# KiCad board pq-register.kicad_pcb (continued)
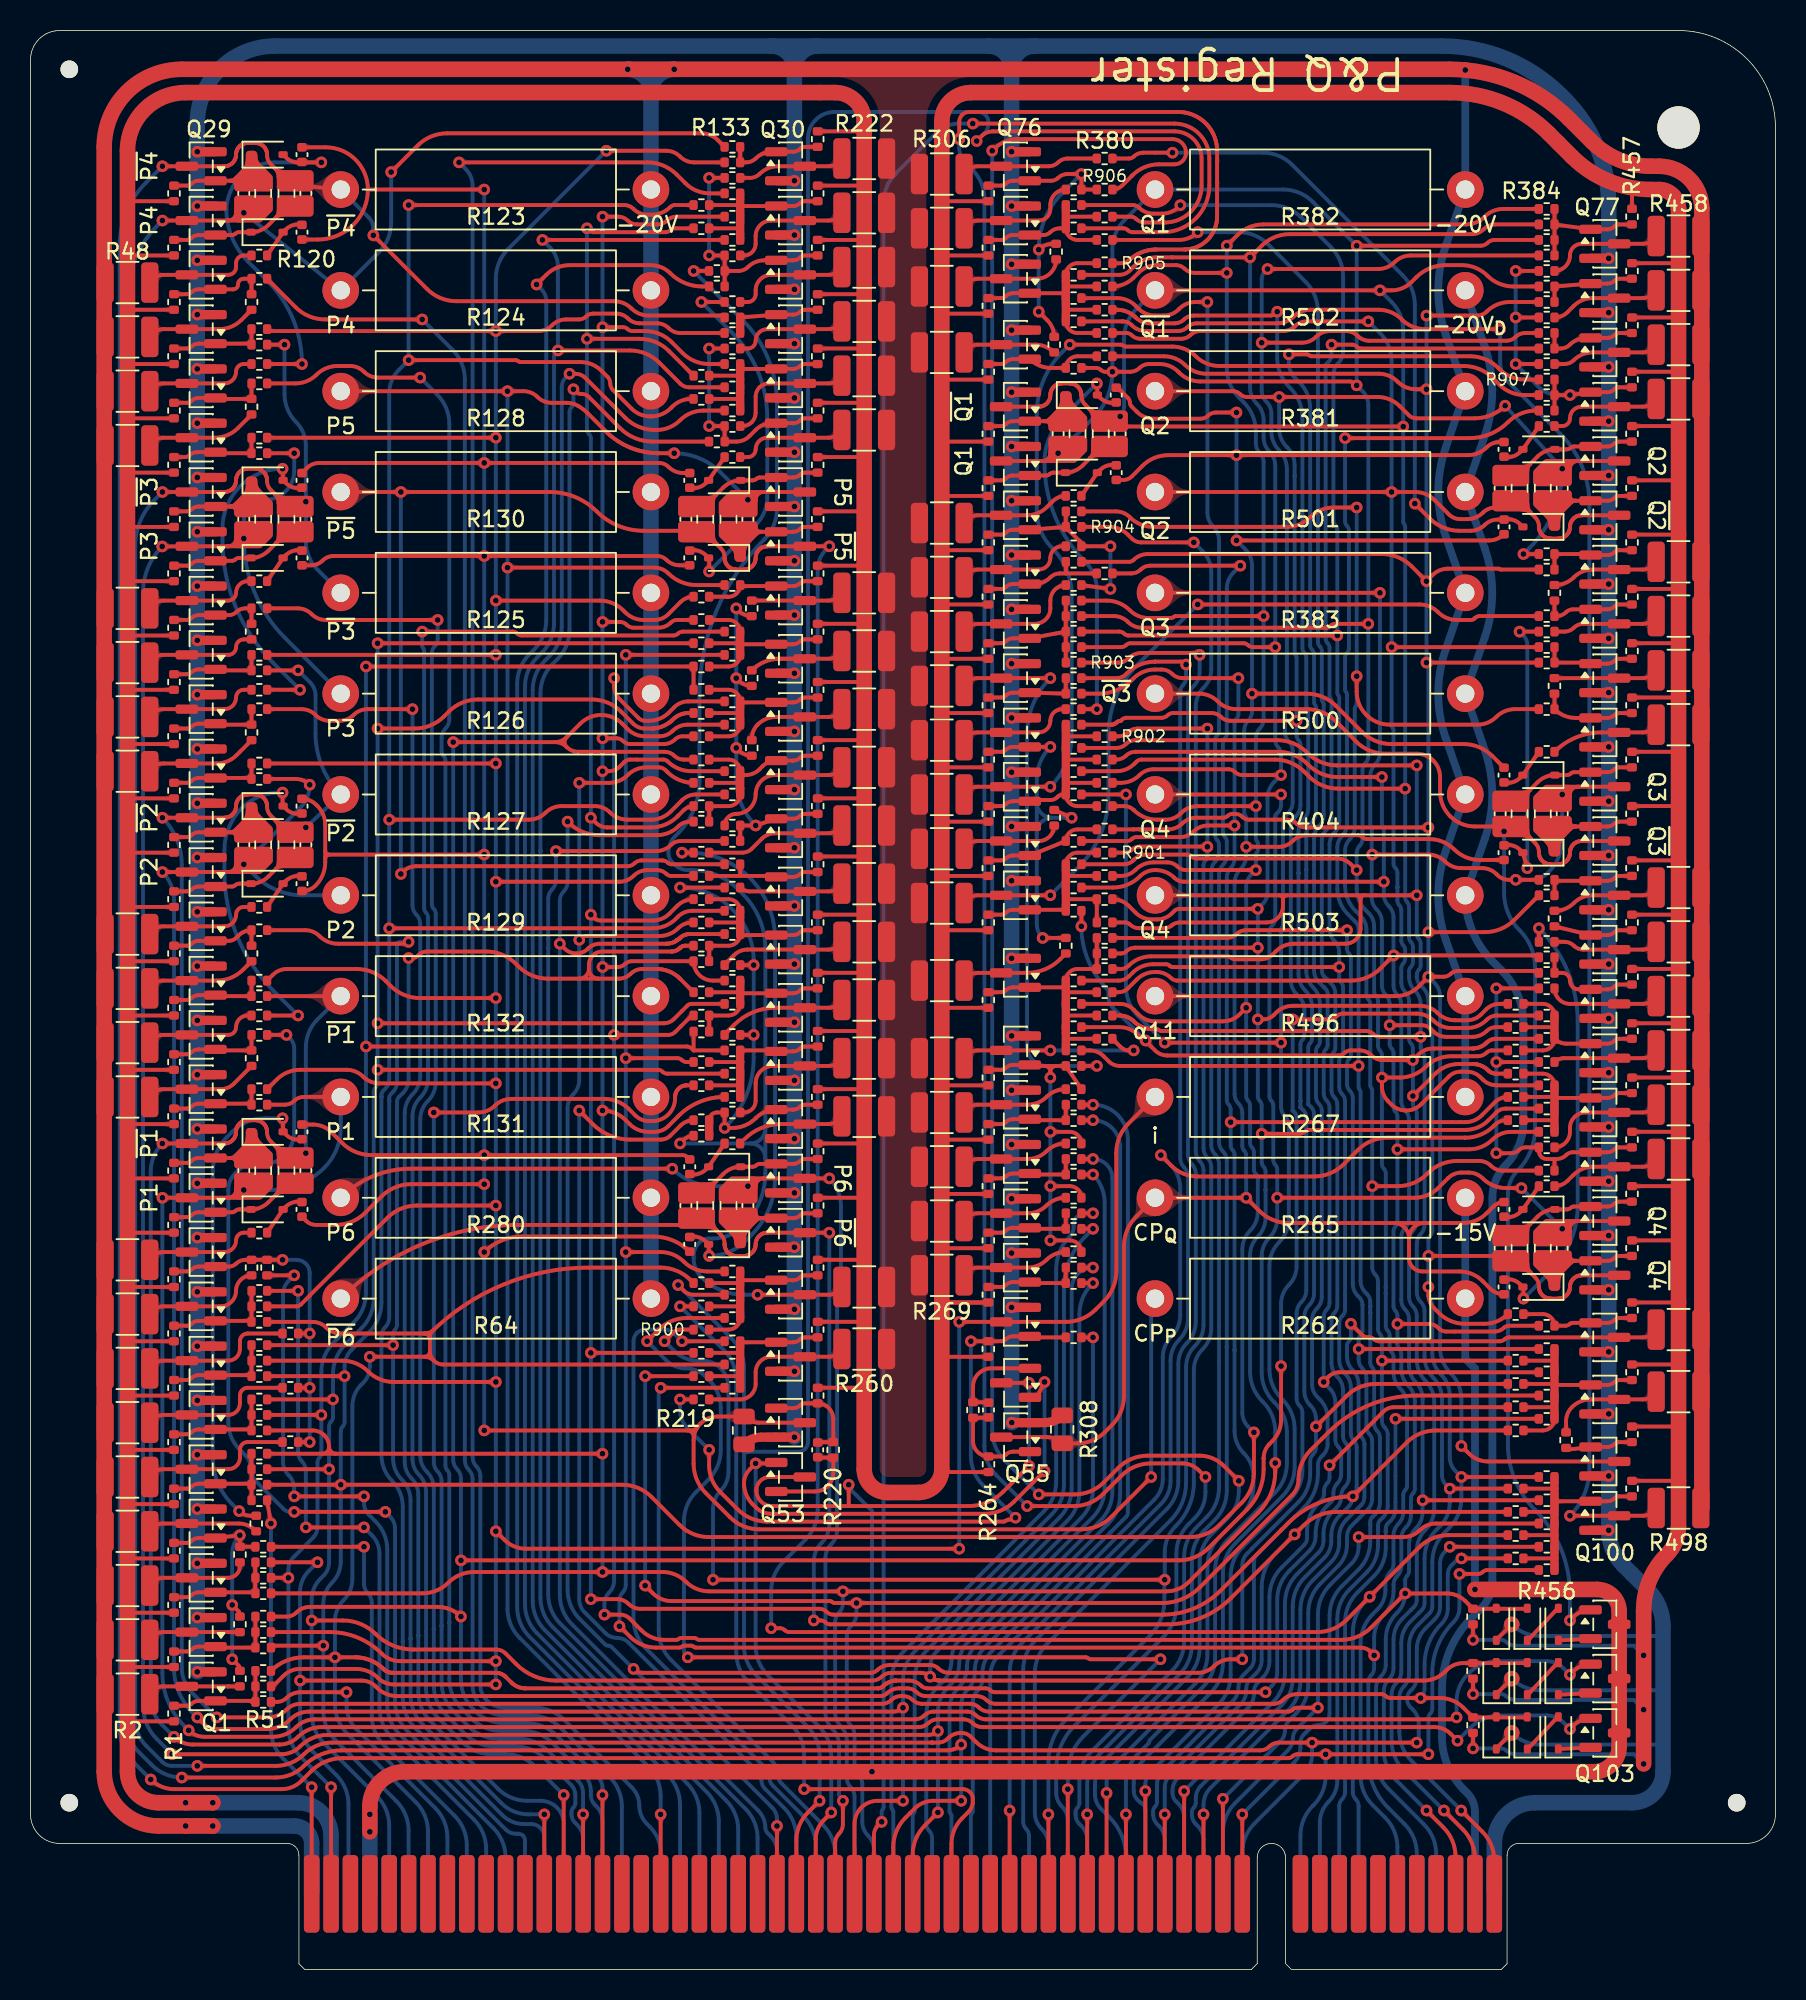
[diagram p0: board, top side]
## Routing (per net, layer and track width the routed paths; a pad name or vN(x,y) marks a point on that pad's centre or on a via; arc(x,y) is an arc through that point) (continued)
B1: length 143.2
  Top w0.254: R902.1 71.27,80.77 arc(71.6,80.84) 71.88,81.03 arc(72.16,81.21) 72.5,81.28 v1(77.09,81.28) ; v1(66.67,10.16) 66.67,4.95 ; v1(77.09,73.53) 76.85,73.53 arc(76.84,73.54) 76.83,73.54 arc(76.82,73.55) 76.8,73.55 72.68,73.55 arc(72.36,73.49) 72.09,73.3 arc(71.92,73.19) 71.72,73.15 R901.1 ; v1(74.3,25.53) v1(44.7,25.53) ; v1(41.53,41.15) 42.11,41.73 arc(42.31,41.86) 42.55,41.91 R900.1
  Bottom w0.254: v1(74.3,25.53) 74.3,25.53 ; v1(74.3,25.53) 74.3,27.33 arc(74.48,28.25) 74.99,29.02 75.03,29.06 arc(75.9,30.35) 76.2,31.88 76.2,39.24 arc(76.35,39.99) 76.77,40.62 arc(77.19,41.26) 77.34,42 77.34,52.55 arc(77.28,52.88) 77.09,53.17 arc(76.9,53.45) 76.83,53.78 76.83,72.34 arc(76.87,72.5) 76.96,72.64 arc(77.06,72.78) 77.09,72.95 v1(77.09,73.53) 77.09,81.15 ; v1(74.3,25.53) arc(74.28,25.5) 74.27,25.47 74.27,24.13 arc(74.03,22.91) 73.34,21.88 67.81,16.35 arc(66.97,15.09) 66.67,13.61 v1(66.67,10.16) ; 77.09,81.15 77.09,81.15 ; 77.09,81.15 77.09,81.15 ; 77.09,81.15 arc(77.09,81.15) 77.09,81.15 ; 77.09,81.15 arc(77.09,81.15) 77.09,81.15 ; 77.09,81.15 arc(77.09,81.15) 77.09,81.15 ; 77.09,81.15 arc(77.09,81.15) 77.09,81.15 ; 77.09,81.15 v1(77.09,81.28) ; 77.09,81.15 arc(77.09,81.15) 77.09,81.15 ; 77.09,81.15 arc(77.09,81.15) 77.09,81.15 ; 77.09,81.15 arc(77.09,81.15) 77.09,81.15 ; v1(41.53,41.15) 42.16,40.51 arc(42.87,40.04) 43.7,39.88 43.99,39.88 arc(44.65,39.75) 45.21,39.37 arc(45.59,38.81) 45.72,38.14 45.72,32.6 arc(45.59,31.93) 45.21,31.37 arc(44.84,30.81) 44.7,30.14 v1(44.7,25.53)
bs: length 148.2
  Top w0.254: v1(55.75,9.67) 55.5,9.42 arc(55.31,9.14) 55.24,8.8 55.24,4.95 ; v1(61.72,120.9) 74.93,120.9 arc(76.55,120.23) 77.22,118.62 77.22,116.84 arc(76.32,114.68) 74.17,113.79 72.19,113.79 arc(72.02,113.83) 71.88,113.92 arc(71.74,114.01) 71.58,114.05 R376.1
  Bottom w0.254: v1(61.72,120.9) 60.83,120.9 arc(60.01,120.74) 59.32,120.28 56.68,117.64 arc(56.09,116.75) 55.88,115.71 55.88,10.63 arc(55.86,10.55) 55.82,10.48 arc(55.77,10.41) 55.75,10.32 v1(55.75,9.67)
CP: length 62.1
  Top w0.254: v1(52.45,10.29) 52.45,10.28 arc(52.45,10.27) 52.44,10.26 51.94,9.76 arc(51.57,9.2) 51.44,8.53 51.44,4.95 ; v1(66.42,32.64) 64.42,30.64 arc(63.54,30.05) 62.5,29.84 48.54,29.84 arc(47.98,29.96) 47.5,30.28 47.31,30.47 arc(46.88,31.1) 46.74,31.85 arc(46.84,32.34) 47.12,32.77 v1(47.5,33.15) 48.74,33.15 arc(48.78,33.15) 48.82,33.18 Q53.1 ; v1(66.42,38.48) 65.91,37.46
  Bottom w0.254: v1(47.5,33.15) 47.5,21.19 arc(47.71,20.15) 48.29,19.27 51.65,15.91 arc(52.24,15.03) 52.45,13.99 v1(52.45,10.29) ; v1(66.42,32.64) v1(66.42,38.48)
CP_{1}: length 294.2
  Top w0.254: 22.1,116.59 v1(29.72,116.59) ; 22.1,116.59 arc(21.14,114.27) 18.82,113.31 C14.2 ; 22.1,116.59 arc(21.29,118.54) 19.33,119.35 C15.2 ; C6.2 17.82,70.64 arc(18.28,70.73) 18.67,70.99 arc(19.14,71.7) 19.3,72.53 19.3,72.78 ; C18.2 42.77,98.02 arc(42.24,98.12) 41.78,98.42 arc(41.5,98.61) 41.17,98.68 v1(29.72,98.68) 18.91,98.68 arc(18.48,98.59) 18.11,98.35 C11.2 ; 43.03,35.31 43.25,35.31 arc(43.47,35.35) 43.67,35.48 ; 43.03,35.31 v1(29.72,35.31) ; 43.03,35.31 arc(43.32,35.18) 43.45,34.89 43.45,34.85 ; C3.2 18.49,55.34 arc(19.15,55.21) 19.71,54.84 20.41,54.14 arc(21.29,53.55) 22.34,53.34 42.7,53.34 arc(42.88,53.3) 43.04,53.2 C22.2 ; R263.1 46.59,36.07 ; R263.1 44.99,36.22 arc(44.4,36.1) 43.89,35.76 arc(43.55,35.26) 43.43,34.66 43.43,33.13 arc(43.64,32.09) 44.23,31.21 45.81,29.63 arc(46.69,29.04) 47.74,28.83 68.85,28.83 arc(69.89,29.04) 70.77,29.63 v1(73.41,32.26) ; R263.1 arc(47.18,35.92) 47.71,35.81 Q52.3 ; C2.2 18.05,49.04 arc(18.34,48.84) 18.7,48.77 20,48.77 arc(21.04,48.98) 21.92,49.56 23,50.64 arc(23.88,51.23) 24.92,51.43 v1(29.72,51.43) ; C10.2 18.39,91.98 arc(18.79,92.05) 19.13,92.28 arc(19.46,92.5) 19.86,92.58 v1(29.72,92.58) 41.04,92.58 arc(41.37,92.52) 41.66,92.33 arc(42.05,92.07) 42.51,91.98 C19.2 ; 19.3,72.78 19.3,73.27 ; 19.3,72.78 arc(19.38,72.95) 19.55,73.02 ; 19.3,73.27 19.3,74.97 arc(19.17,75.64) 18.8,76.2 18.7,76.3 arc(18.28,76.58) C7.2 ; 19.3,73.27 arc(19.38,73.1) 19.55,73.02 ; v1(29.72,73.02) 19.55,73.02 ; C23.2 arc(42.09,47.75) 40.79,48.01 32.17,48.01 arc(30.84,47.74) v1(29.72,46.99)
  Bottom w0.254: R262.2 73.53,43.81 arc(73.44,43.67) 73.41,43.51 v1(73.41,32.26) ; v1(29.72,35.31) v1(29.72,46.99) v1(29.72,51.43) v1(29.72,53.34) v1(29.72,73.02) 29.72,83.06 v1(29.72,92.58) v1(29.72,98.68) v1(29.72,116.59)
CP_{2}: length 199.8
  Top w0.254: 90.3,47.9 90.3,46.59 arc(90.36,46.26) 90.55,45.97 arc(90.83,45.79) 91.16,45.72 93.59,45.72 arc(94.42,45.55) 95.12,45.08 95.6,44.6 arc(96.02,44.32) C41.2 ; 90.3,47.9 arc(90.59,48.6) 91.3,48.89 ; 90.3,47.9 arc(90,48.6) 89.3,48.89 ; v1(78.99,93.6) 95.53,93.6 arc(96.07,93.71) C33.2 ; Q55.3 66.6,34.87 arc(67.13,34.76) R308.1 68.61,34.46 arc(69.56,34.65) 70.37,35.19 70.83,35.65 arc(71.42,36.53) 71.63,37.58 71.63,47.39 arc(71.84,48.43) 72.42,49.31 R265.2 v1(79.63,50.55) 80.48,49.69 arc(81.37,49.1) 82.41,48.89 89.3,48.89 ; C36.2 95.74,79.49 arc(94.88,80.06) 93.87,80.26 89.14,80.26 arc(88.1,80.47) 87.21,81.06 85.51,82.77 arc(84.62,83.36) 83.58,83.57 v1(80.01,83.57) ; v1(78.99,101.98) 77.63,101.98 arc(77.37,101.93) 77.14,101.78 arc(76.91,101.63) 76.64,101.57 73.57,101.57 arc(72.98,101.69) 72.47,102.03 72.12,102.38 arc(72.04,102.5) 72.01,102.65 arc(71.98,102.79) 71.9,102.92 71.24,103.57 arc(71.21,103.6) 71.17,103.6 C29.2 ; C37.2 94.92,72.67 arc(94.03,72.85) 93.27,73.36 arc(92.51,73.86) 91.61,74.04 87.56,74.04 arc(87.39,74.07) 87.25,74.17 arc(87.11,74.26) 86.94,74.29 83.6,74.29 arc(83.1,74.2) 82.68,73.91 arc(82.25,73.63) 81.76,73.53 v1(79.63,73.53) ; 89.3,48.89 91.3,48.89 ; C32.2 96.23,100.05 arc(95.77,99.96) 95.38,99.69 arc(94.81,99.32) 94.15,99.19 v1(78.99,99.19) 74.52,99.19 arc(73.61,99.01) 72.83,98.49 72.14,97.79 arc(71.89,97.62) 71.59,97.56 C28.2 ; 91.3,48.89 93.85,48.89 arc(94.67,49.06) 95.37,49.52 95.82,49.97 arc(96.14,50.19) C40.2
  Bottom w0.254: v1(78.99,101.98) v1(78.99,99.19) v1(78.99,93.6) 79.58,93.02 arc(79.9,92.54) 80.01,91.97 v1(80.01,83.57) 80.01,82.4 arc(79.94,82.07) 79.76,81.79 arc(79.57,81.51) 79.5,81.17 79.5,75.71 arc(79.52,75.65) 79.55,75.59 arc(79.61,75.51) 79.63,75.41 v1(79.63,73.53) 79.63,72.98 arc(79.53,72.48) 79.25,72.06 arc(78.97,71.63) 78.87,71.14 78.87,57.34 arc(78.93,57.01) 79.12,56.73 arc(79.31,56.44) 79.38,56.11 79.38,53.93 arc(79.41,53.77) 79.5,53.63 arc(79.6,53.49) 79.63,53.32 v1(79.63,50.55)
F: length 251.4
  Top w0.254: v1(35.94,77.72) 37.89,77.72 arc(38.55,77.86) 39.12,78.23 arc(39.68,78.61) 40.34,78.74 41.14,78.74 arc(41.39,78.69) 41.6,78.55 41.71,78.44 arc(42.5,77.91) R175.1 ; R187.1 43.34,68.58 arc(42.84,68.48) 42.42,68.2 arc(41.86,67.82) 41.19,67.69 36.37,67.69 arc(36.21,67.66) 36.07,67.56 v1(35.94,67.44) ; R442.1 88.12,38.35 arc(87.08,38.15) 86.2,37.56 v1(84.2,35.56) ; v1(81.66,108.58) 81.53,108.46 arc(81.39,108.36) 81.23,108.33 76.18,108.33 arc(75.85,108.26) 75.56,108.08 arc(75.28,107.89) 74.95,107.82 73.31,107.82 arc(72.81,107.92) 72.39,108.2 72.37,108.22 arc(72.35,108.24) 72.33,108.26 72.31,108.28 arc(72.26,108.32) 72.22,108.35 arc(72.17,108.39) 72.13,108.42 arc(72.08,108.45) 72.03,108.48 arc(71.98,108.51) 71.93,108.53 arc(71.88,108.56) 71.83,108.58 arc(71.77,108.6) 71.72,108.62 arc(71.67,108.64) 71.61,108.65 arc(71.56,108.67) 71.5,108.68 arc(71.45,108.69) 71.39,108.7 arc(71.33,108.7) 71.28,108.71 71.25,108.71 arc(71.22,108.71) 71.19,108.71 arc(71.16,108.71) 71.14,108.71 R370.1 ; v1(48.89,9.4) 48.89,4.95 ; v1(79.37,20.32) 78.61,20.32 arc(78.03,20.2) 77.53,19.88 arc(77.04,19.55) 76.46,19.43 60.15,19.43 arc(59.78,19.51) 59.47,19.72 arc(59.22,19.88) 58.93,19.94 56.27,19.94 arc(55.83,19.85) 55.46,19.6 arc(55.27,19.48) 55.04,19.43 40.11,19.43 arc(39.78,19.5) v1(39.5,19.68)
  Bottom w0.254: v1(48.89,9.4) 48.89,9.84 arc(48.81,10.25) 48.58,10.6 v1(39.5,19.68) 38.06,21.12 arc(37.96,21.19) 37.85,21.21 arc(37.73,21.23) 37.63,21.3 35.98,22.95 arc(35.39,23.83) 35.18,24.88 35.18,56.42 arc(35.28,56.92) 35.56,57.34 arc(35.84,57.76) 35.94,58.26 v1(35.94,67.44) v1(35.94,77.72) ; v1(79.37,20.32) 79.37,26.47 arc(79.46,26.89) 79.69,27.24 80.01,27.56 arc(80.01,27.56) 80.01,27.56 arc(80.01,27.57) 80.01,27.57 83.05,30.61 arc(83.62,31.46) 83.82,32.46 83.82,33.28 arc(83.87,33.53) 84.01,33.74 arc(84.15,33.95) 84.2,34.2 v1(84.2,35.56) 84.2,36.07 arc(84.11,36.54) 83.84,36.94 83.82,36.96 arc(83.54,37.38) 83.44,37.88 83.44,42.75 arc(83.52,43.16) 83.76,43.51 arc(83.99,43.86) 84.07,44.28 84.07,56.03 arc(84.02,56.28) 83.88,56.49 83.69,56.68 ; v1(81.66,108.58) 81.66,105.56 arc(81.87,104.52) 82.46,103.64 82.52,103.58 arc(83.1,102.7) 83.31,101.66 83.31,97.63 83.31,86.54 arc(83.35,86.38) 83.44,86.24 arc(83.53,86.1) 83.57,85.93 83.57,82.77 arc(83.58,82.69) 83.63,82.62 arc(83.68,82.55) 83.69,82.47 83.69,76.07 arc(83.61,75.65) 83.38,75.3 arc(83.14,74.95) 83.06,74.54 83.06,65.19 arc(83.17,64.61) 83.5,64.12 arc(83.83,63.63) 83.95,63.05 83.95,60.98 arc(83.91,60.82) 83.82,60.68 arc(83.73,60.54) 83.69,60.37 83.69,56.68 ; 83.69,56.68 arc(83.69,56.68) 83.69,56.68 ; 83.69,56.68 arc(83.69,56.68) 83.69,56.68 ; 83.69,56.68 arc(83.69,56.68) 83.69,56.68
Faf: length 78.5
  Top w0.254: v1(43.05,20.45) 69.13,20.45 arc(69.21,20.43) 69.28,20.38 arc(69.35,20.34) 69.43,20.32 v1(74.02,20.32) ; v1(40.39,41.15) 41.15,41.91 arc(41.99,42.47) 42.99,42.67 R213.1 ; v1(67.95,11.81) 67.95,4.95
  Bottom w0.254: v1(40.39,41.15) 41.63,39.91 arc(42.22,39.51) 42.93,39.37 arc(43.63,39.23) 44.23,38.83 44.45,38.61 arc(45.01,37.76) 45.21,36.77 45.21,34.02 arc(45,32.98) 44.42,32.1 43.6,31.28 arc(43.01,30.39) 42.8,29.35 42.8,20.88 arc(42.83,20.71) 42.93,20.57 v1(43.05,20.45) ; v1(74.02,20.32) 68.96,15.26 arc(68.21,14.14) 67.95,12.81 v1(67.95,11.81)
G: length 431.2
  Top w0.254: v1(24.77,105.41) 31.79,105.41 arc(31.87,105.39) 31.94,105.35 arc(32.01,105.3) 32.09,105.28 36.02,105.28 arc(36.77,105.13) 37.4,104.71 37.79,104.32 arc(37.93,104.12) 37.97,103.89 arc(38.02,103.65) 38.15,103.45 39.37,102.23 arc(39.93,101.86) 40.6,101.73 40.64,101.73 arc(41.34,101.87) 41.94,102.27 42.04,102.36 arc(42.6,102.74) 43.26,102.87 R151.1 ; R176.1 43.59,76.96 arc(43.09,76.86) 42.67,76.58 41.94,75.85 arc(41.34,75.45) 40.64,75.31 39.11,75.31 arc(38.48,75.44) 37.95,75.79 arc(37.5,76.09) 36.97,76.2 34.79,76.2 arc(34.21,76.08) 33.72,75.76 arc(33.23,75.43) 32.65,75.31 v1(23.49,75.31) ; v1(78.36,112.9) 79.06,113.6 arc(79.83,114.12) 80.74,114.3 94.02,114.3 arc(94.69,114.43) 95.25,114.81 arc(95.81,115.18) 96.48,115.32 R384.1 ; 19.43,21.21 v1(19.18,21.21) 15.97,21.21 arc(15.88,21.19) 15.81,21.15 R55.1 ; R67.1 v1(20.32,31.75) 38.75,31.75 arc(39.79,31.54) 40.67,30.95 42.51,29.12 arc(43.39,28.53) 44.43,28.32 46.4,28.32 ; v1(79.63,62.99) 79.18,62.55 arc(78.69,62.22) 78.11,62.1 73.66,62.1 arc(73.07,62.22) 72.58,62.55 72.26,62.86 arc(71.84,63.15) 71.34,63.25 R327.1 ; R186.1 43.34,69.34 arc(42.84,69.24) 42.42,68.96 42.28,68.83 arc(41.59,68.36) 40.77,68.2 v1(23.49,68.2) ; v1(80.14,35.18) 80.14,32.5 arc(79.93,31.46) 79.34,30.58 77.88,29.12 arc(77,28.53) 75.96,28.32 70.87,28.32 ; 80.14,72.14 v1(80.26,72.01) 75.69,72.01 arc(75.39,72.07) 75.13,72.24 arc(74.82,72.44) 74.46,72.52 73.56,72.52 arc(72.92,72.39) 72.37,72.03 arc(71.93,71.73) 71.42,71.63 R338.1 ; R137.1 42.22,115.57 arc(42.05,115.54) 41.91,115.44 arc(41.35,115.07) 40.68,114.93 40.42,114.93 arc(39.92,115.03) 39.5,115.32 arc(39.22,115.5) 38.88,115.57 v1(24.77,115.57) ; 46.4,28.32 46.4,28.32 ; 46.4,28.32 46.4,28.32 ; 46.4,28.32 arc(46.4,28.32) 46.4,28.32 ; 46.4,28.32 arc(46.4,28.32) 46.4,28.32 ; 46.4,28.32 70.87,28.32 ; 70.87,28.32 70.87,28.32 ; 70.87,28.32 70.87,28.32 ; 70.87,28.32 arc(70.87,28.32) 70.87,28.32 ; 70.87,28.32 arc(70.87,28.32) 70.87,28.32 ; v1(20.57,38.86) R75.1 ; v1(78.36,111.12) 76.26,111.12 arc(75.9,111.2) 75.59,111.4 arc(75.34,111.57) 75.04,111.63 73.79,111.63 arc(73.13,111.5) 72.57,111.13 72.25,110.81 arc(71.62,110.38) R372.1 ; v1(80.26,76.2) 76.45,76.2 arc(75.87,76.08) 75.37,75.76 75.33,75.72 arc(74.89,75.42) 74.36,75.31 73.79,75.31 arc(72.97,75.47) 72.27,75.94 72.26,75.95 arc(71.98,76.13) 71.65,76.2 R343.1 ; v1(80.77,88.65) 75.02,88.65 arc(74.94,88.63) 74.87,88.58 arc(74.8,88.54) 74.71,88.52 73.24,88.52 arc(72.57,88.65) 72.01,89.03 arc(71.31,89.5) 70.48,89.66 R356.1
  Bottom w0.254: 23.49,60.86 23.49,60.86 ; 23.49,60.86 23.49,60.86 ; 23.49,60.86 23.49,58.31 arc(23.43,57.98) 23.24,57.69 23.09,57.54 arc(23.01,57.43) 22.99,57.3 22.99,57.15 ; 23.49,60.86 arc(23.49,60.86) 23.49,60.86 ; 23.49,60.86 arc(23.49,60.86) 23.49,60.86 ; 23.49,60.86 v1(23.49,68.2) v1(23.49,75.31) 23.49,103.24 arc(23.66,104.07) 24.13,104.77 v1(24.77,105.41) v1(24.77,115.57) ; 22.99,57.15 22.99,57.15 ; 22.99,57.15 22.99,57.15 ; 22.99,57.15 arc(22.99,57.15) 22.99,57.15 ; 22.99,57.15 arc(22.99,57.15) 22.99,57.15 ; v1(78.36,112.9) v1(78.36,111.12) 78.36,104.89 arc(78.57,103.84) 79.16,102.96 79.47,102.65 arc(80.06,101.77) 80.26,100.73 80.26,99.95 arc(80.33,99.62) 80.52,99.34 arc(80.71,99.06) 80.77,98.72 v1(80.77,88.65) 80.77,81.89 arc(80.71,81.56) 80.52,81.28 arc(80.33,81) 80.26,80.67 v1(80.26,76.2) 80.26,74.07 arc(80.28,73.98) 80.33,73.91 arc(80.37,73.84) 80.39,73.76 80.39,73.31 arc(80.37,73.22) 80.33,73.15 arc(80.28,73.08) 80.26,73 v1(80.26,72.01) 79.95,71.69 arc(79.71,71.34) 79.63,70.92 v1(79.63,62.99) 79.63,57.2 arc(79.66,57.04) 79.76,56.9 arc(79.85,56.76) 79.88,56.59 79.88,54.14 arc(79.92,53.98) 80.01,53.84 arc(80.1,53.7) 80.14,53.53 80.14,52.41 arc(80.17,52.24) 80.26,52.1 arc(80.36,51.96) 80.39,51.79 80.39,49.61 arc(80.26,48.95) 79.88,48.39 arc(79.51,47.82) 79.38,47.16 79.38,36.48 arc(79.47,35.98) 79.76,35.56 v1(80.14,35.18) ; 22.99,57.15 22.99,43.67 arc(22.78,42.63) 22.19,41.75 21.02,40.58 arc(20.69,40.08) 20.57,39.5 v1(20.57,38.86) 20.57,35.87 arc(20.54,35.7) 20.45,35.56 arc(20.35,35.42) 20.32,35.25 v1(20.32,31.75) 20.32,26.72 arc(20.17,25.97) 19.75,25.34 arc(19.33,24.7) 19.18,23.96 v1(19.18,21.21) 19.18,16.94 arc(19.38,15.9) 19.97,15.01 23.97,11.02 arc(24.56,10.14) 24.77,9.1 24.77,4.95
H: length 135.7
  Top w0.254: R167.1 R165.1 v1(21.97,85.34) ; v1(21.97,60.45) 43,60.45 arc(43.17,60.42) 43.31,60.32 43.43,60.2 ; 43.43,60.2 R198.1 ; 43.43,60.2 arc(43.43,60.2) 43.43,60.2 R196.1 ; v1(19.69,11.94) 19.69,4.95 ; v1(16.89,25.65) R60.1 ; v1(19.05,36.32) R72.1
  Bottom w0.254: v1(21.97,85.34) v1(21.97,60.45) 21.97,44.31 arc(21.76,43.27) 21.17,42.38 19.85,41.06 arc(19.26,40.17) 19.05,39.13 v1(19.05,36.32) 19.05,33.83 arc(19.02,33.67) 18.92,33.53 arc(18.83,33.39) 18.8,33.22 18.8,28.96 arc(18.73,28.6) 18.53,28.31 17.25,27.03 arc(16.98,26.63) 16.89,26.16 v1(16.89,25.65) 16.89,15.86 arc(17.1,14.82) 17.69,13.94 v1(19.69,11.94)
i: length 379.1
  Top w0.254: v1(30.48,71.25) 38.58,71.25 arc(39.07,71.35) 39.5,71.63 arc(39.92,71.91) 40.42,72.01 41.04,72.01 arc(41.37,71.94) 41.66,71.75 arc(41.8,71.66) 41.96,71.63 R183.1 ; R134.1 43.46,118.36 arc(42.97,118.46) 42.55,118.74 arc(42.12,119.03) 41.63,119.13 v1(37.72,119.13) ; R146.1 42.57,107.19 arc(42.15,107.27) 41.8,107.51 arc(41.45,107.74) 41.04,107.82 39.9,107.82 arc(39.49,107.91) 39.14,108.14 arc(38.78,108.38) 38.37,108.46 36.85,108.46 arc(36.6,108.41) 36.39,108.27 arc(36.17,108.13) 35.93,108.08 35.08,108.08 arc(34.59,107.98) 34.16,107.7 arc(33.74,107.41) 33.24,107.31 v1(30.48,107.31) 15.71,107.31 arc(15.63,107.33) 15.56,107.38 R117.1 ; v1(30.48,38.48) 23.79,38.48 arc(22.87,38.66) 22.1,39.18 arc(21.33,39.7) 20.41,39.88 R76.1 ; v1(30.48,100.33) R112.1 ; v1(30.48,20.19) 24.21,20.19 arc(23.55,20.33) 22.99,20.7 arc(21.44,21.73) 19.61,22.1 R56.1 ; v1(30.48,63.63) 25.51,63.63 arc(24.47,63.83) 23.59,64.42 23.28,64.74 arc(22.39,65.32) 21.35,65.53 16.8,65.53 arc(16.3,65.43) 15.88,65.15 R93.1 ; v1(30.48,58.04) 22.85,58.04 arc(22.27,58.15) 21.78,58.48 arc(21.29,58.81) 20.71,58.93 17.66,58.93 arc(16.83,58.76) 16.13,58.29 R88.1 ; v1(30.48,78.99) R100.1 ; R267.2 71.92,55.41 arc(71.33,54.52) 71.12,53.48 71.12,45.7 arc(70.91,44.66) 70.32,43.78 69.76,43.21 arc(68.88,42.63) 67.83,42.42 Q56.3 v1(60.83,42.42) ; v1(30.48,50.04) 25.31,50.04 arc(24.27,49.83) 23.38,49.24 18.29,44.15 arc(18.29,44.15) 18.29,44.14 arc(18.29,44.13) 18.28,44.13 17.72,43.57 arc(17.57,43.47) 17.4,43.43 R80.1 ; v1(30.48,18.67) 23.77,18.67 arc(23.24,18.78) 22.78,19.08 22.77,19.09 arc(22.11,19.53) 21.33,19.68 17.65,19.68 arc(17.07,19.57) 16.57,19.24 15.92,18.59 arc(15.87,18.55) 15.81,18.54 R52.1 ; v1(30.48,89.66) 37.29,89.66 arc(38.12,89.5) 38.82,89.03 38.95,88.89 arc(39.51,88.52) 40.16,88.39 40.86,88.39 arc(41.36,88.49) 41.78,88.77 42.57,89.56 arc(42.96,89.82) R159.1 ; v1(60.83,27.56) 32.43,27.56 arc(31.68,27.71) 31.05,28.13 v1(30.48,28.7) ; v1(30.48,86.11) R105.1
  Bottom w0.254: v1(37.72,119.13) 31.28,112.68 arc(30.69,111.8) 30.48,110.76 v1(30.48,107.31) v1(30.48,100.33) v1(30.48,89.66) v1(30.48,86.11) v1(30.48,78.99) v1(30.48,71.25) v1(30.48,63.63) v1(30.48,58.04) v1(30.48,50.04) v1(30.48,38.48) v1(30.48,28.7) v1(30.48,20.19) v1(30.48,18.67) ; v1(60.83,42.42) v1(60.83,27.56)
ia: length 41.8
  Top w0.254: v1(41.27,38.1) R218.1
  Bottom w0.254: v1(41.27,38.1) 41.21,38.04 arc(41.16,37.97) 41.15,37.88 41.15,22.21 arc(41.36,21.17) 41.94,20.29 48.59,13.64 arc(48.82,13.3) 48.89,12.91 arc(48.97,12.52) 49.2,12.19 51.91,9.47 arc(52.5,8.59) 52.7,7.55 52.7,4.95
K: length 53.6
  Top w0.254: v1(42.55,43.43) R212.1 ; 60.33,4.95 60.33,8.22 arc(60.51,9.13) 61.02,9.91 61.43,10.31 arc(61.65,10.64) 61.72,11.02 61.72,11.16 arc(61.67,11.41) 61.53,11.62 arc(61.32,11.76) 61.07,11.81 v1(50.67,11.81)
  Bottom w0.254: v1(42.55,43.43) 45.43,40.55 arc(46.02,39.67) 46.23,38.62 46.23,20.75 arc(46.44,19.71) 47.02,18.82 49.88,15.97 arc(50.47,15.09) 50.67,14.05 v1(50.67,11.81)
O1: length 177
  Top w0.254: v1(71.76,76.96) R344.1 ; v1(81.03,111.38) 88.27,111.38 arc(88.85,111.49) 89.34,111.82 arc(89.84,112.15) 90.42,112.27 R387.1 ; v1(80.64,106.55) 83.28,106.55 arc(83.78,106.65) 84.2,106.93 arc(84.62,107.22) 85.12,107.31 86.16,107.31 arc(86.58,107.23) 86.93,107 arc(87.28,106.76) 87.7,106.68 96.67,106.68 arc(97,106.75) 97.28,106.93 arc(97.56,107.12) 97.9,107.19 R392.1 ; v1(74.3,60.71) v1(81.92,60.71)
  Bottom w0.254: 73.02,4.95 73.02,10.49 arc(72.99,10.65) 72.9,10.79 72.79,10.9 arc(72.77,10.92) 72.74,10.92 arc(72.71,10.93) 72.69,10.94 72.49,11.15 arc(72.32,11.39) 72.26,11.68 72.26,12.22 arc(72.42,13.02) 72.87,13.69 77.31,18.13 arc(77.9,19.01) 78.11,20.05 78.11,25.97 arc(78.31,27.02) 78.9,27.9 82.01,31 arc(82.6,31.89) 82.8,32.93 82.8,35.41 arc(82.6,36.45) 82.01,37.33 81.95,37.39 arc(81.36,38.27) 81.15,39.31 81.15,46.1 arc(81.32,46.93) 81.79,47.64 arc(82.26,48.34) 82.42,49.17 82.42,55.27 arc(82.36,55.6) 82.17,55.88 arc(81.98,56.16) 81.92,56.49 81.92,68.11 arc(81.93,68.19) 81.98,68.26 arc(82.03,68.33) 82.04,68.42 82.04,71.41 ; v1(71.76,76.96) 71.76,64.37 arc(71.96,63.33) 72.55,62.45 v1(74.3,60.71) ; 82.04,71.41 82.04,71.41 ; 82.04,71.41 arc(82.04,71.41) 82.04,71.41 ; 82.04,71.41 82.04,75.32 arc(82.06,75.4) 82.1,75.47 82.36,75.72 arc(82.59,76.07) 82.68,76.49 82.68,79.82 arc(82.61,80.15) 82.42,80.43 arc(82.24,80.72) 82.17,81.05 82.17,82.46 arc(82.19,82.54) 82.23,82.61 arc(82.28,82.68) 82.3,82.77 82.3,98.28 arc(82.16,98.94) 81.79,99.5 arc(81.41,100.07) 81.28,100.73 81.28,101.91 arc(81.2,102.33) 80.96,102.68 arc(80.73,103.03) 80.64,103.45 v1(80.64,106.55) 80.64,110.73 arc(80.69,110.98) 80.84,111.19 v1(81.03,111.38)
P1: length 294.6
  Top w0.254: v1(19.56,32.77) R68.1 ; v1(22.73,86.87) R163.1 ; v1(22.73,61.98) 41.5,61.98 arc(41.84,62.04) 42.13,62.24 43.04,63.14 arc(43.15,63.22) 43.29,63.25 R194.1 ; 97.97,20.07 R505.1 93.85,20.07 arc(93.26,19.95) 92.77,19.62 92.64,19.5 arc(92.01,19.07) 91.26,18.92 59.56,18.92 arc(59.54,18.92) 59.52,18.92 arc(59.5,18.92) 59.48,18.92 59.47,18.93 arc(59.43,18.93) 59.39,18.94 arc(59.35,18.94) 59.32,18.95 arc(59.28,18.96) 59.24,18.98 arc(59.21,18.99) 59.17,19 arc(59.14,19.02) 59.11,19.04 arc(59.08,19.06) 59.04,19.08 arc(59.01,19.1) 58.98,19.13 58.97,19.14 arc(58.96,19.15) 58.94,19.16 v1(58.93,19.18) ; v1(19.81,37.34) R73.1 ; v1(58.93,19.18) 59.18,19.18 ; v1(58.93,19.18) arc(58.65,19.36) 58.31,19.43 56.37,19.43 arc(56.03,19.36) 55.75,19.18 arc(55.47,18.99) 55.14,18.92 34.42,18.92 arc(33.01,19.2) 31.82,20 31.11,20.7 arc(30.83,20.89) 30.5,20.95 25.06,20.95 arc(23.73,21.22) 22.61,21.97 arc(21.62,22.63) 20.46,22.86 v1(18.41,22.86) ; v1(69.6,44.96) R310.1 ; v1(22.73,58.93) 41.1,58.93 arc(41.26,58.89) 41.4,58.8 arc(41.54,58.71) 41.71,58.67 R200.1 ; R169.1 43.12,82.3 arc(43.1,82.3) 43.07,82.3 arc(43.05,82.3) 43.02,82.29 43,82.29 arc(42.94,82.29) 42.89,82.28 arc(42.84,82.27) 42.79,82.26 arc(42.74,82.25) 42.69,82.24 arc(42.64,82.22) 42.6,82.2 arc(42.55,82.19) 42.5,82.17 arc(42.45,82.14) 42.41,82.12 arc(42.36,82.09) 42.32,82.07 arc(42.28,82.04) 42.23,82.01 42.21,81.99 arc(42.19,81.98) 42.18,81.96 arc(42.16,81.95) 42.14,81.93 42.05,81.84 arc(42.04,81.83) 42.03,81.83 42.02,81.82 arc(42.02,81.82) 42.02,81.82 41.96,81.76 arc(41.95,81.75) 41.93,81.74 arc(41.92,81.73) 41.91,81.72 41.88,81.7 arc(41.85,81.67) 41.81,81.65 41.8,81.64 arc(41.75,81.6) 41.69,81.57 arc(41.64,81.54) 41.59,81.51 arc(41.53,81.48) 41.48,81.46 arc(41.42,81.43) 41.36,81.41 arc(41.31,81.39) 41.25,81.37 arc(41.19,81.35) 41.13,81.34 arc(41.07,81.33) 41.01,81.31 41,81.31 arc(40.95,81.3) 40.9,81.3 40.87,81.29 arc(40.86,81.29) 40.84,81.29 arc(40.83,81.28) 40.81,81.28 40.72,81.28 40.26,81.28 arc(39.83,81.37) 39.47,81.61 38.69,82.39 arc(37.8,82.98) 36.76,83.18 29.32,83.18 arc(28.28,82.98) 27.4,82.39 27.09,82.08 arc(26.2,81.49) 25.16,81.28 v1(22.73,81.28)
  Bottom w0.254: v1(22.73,86.87) v1(22.73,81.28) v1(22.73,61.98) v1(22.73,58.93) 22.73,58.09 arc(22.7,57.93) 22.61,57.78 arc(22.51,57.64) 22.48,57.48 22.48,43.93 arc(22.27,42.88) 21.68,42 20.61,40.93 arc(20.02,40.05) 19.81,39.01 v1(19.81,37.34) 19.81,36.19 arc(19.78,36.02) 19.69,35.88 arc(19.59,35.74) 19.56,35.57 v1(19.56,32.77) 19.56,26.67 arc(19.46,26.2) 19.2,25.8 18.99,25.59 arc(18.56,24.96) 18.41,24.21 v1(18.41,22.86) 18.41,16.75 arc(18.62,15.71) 19.21,14.82 22.7,11.34 arc(23.29,10.46) 23.49,9.41 23.49,4.95 ; v1(58.93,19.18) 58.93,19.79 arc(59.04,20.36) 59.36,20.84 67.91,29.39 arc(68.5,30.27) 68.71,31.31 68.71,42.93 arc(68.92,43.98) 69.52,44.88 v1(69.6,44.96)
P1b: length 26.8
  Top w0.254: 18.41,4.95 18.41,11.94 arc(18.42,11.94) v1(18.42,11.94) ; v1(15.75,29.21) R66.1
  Bottom w0.254: v1(15.75,29.21) 15.75,15.74 arc(15.96,14.7) 16.54,13.81 v1(18.42,11.94)
P2: length 177.5
  Top w0.254: v1(10.92,16.51) 11.43,16 arc(11.71,15.81) 12.04,15.75 15.48,15.75 arc(16.31,15.91) 17.02,16.38 arc(17.58,16.76) 18.24,16.89 56.54,16.89 arc(56.87,16.96) v1(57.15,17.14) ; 12.95,71.88 Q16.3 v1(8.64,71.88) ; 12.95,71.88 12.89,71.88 13.84,71.88 ; 12.95,71.88 arc(13.31,72.03) 13.46,72.39 13.46,72.52 ; v1(57.15,11.05) 55.49,11.05 arc(54.91,10.93) 54.42,10.6 arc(54.09,10.11) 53.98,9.53 53.98,4.95 ; v1(69.6,48.51) R313.1 ; R99.1 17.37,77.98 arc(17.87,77.88) v1(18.29,77.6)
  Bottom w0.254: v1(57.15,11.05) v1(57.15,17.14) 57.15,18.94 arc(57.36,19.98) 57.95,20.86 66.89,29.81 arc(67.48,30.69) 67.69,31.73 67.69,44.58 arc(68.06,46.45) 69.13,48.05 v1(69.6,48.51) ; R129.2 17.8,70.36 arc(16.14,70.69) 14.73,71.63 v1(13.97,72.39) 17.66,76.08 arc(18.12,76.78) v1(18.29,77.6) ; 9.4,19.81 9.4,70.04 arc(9.2,71.04) v1(8.64,71.88) ; v1(10.92,16.51) 10.64,16.79 arc(9.72,18.18) 9.39,19.81
P3: length 211.3
  Top w0.254: 12.89,93.22 13.84,93.22 ; 12.89,93.22 Q22.3 v1(8.62,93.21) ; 12.89,93.22 12.95,93.22 arc(13.31,93.37) 13.46,93.73 13.46,93.85 ; v1(69.6,52.07) R316.1 ; v1(59.44,15.62) 59.42,15.61 arc(59.16,15.43) 58.84,15.37 57.26,15.37 19.49,15.37 arc(18.5,15.17) 17.65,14.6 arc(17.09,14.23) 16.43,14.1 v1(9.27,14.1) ; 57.79,4.95 57.79,7.51 arc(57.99,8.55) 58.58,9.43 v1(59.44,10.29) ; v1(17.27,99.31) R111.1
  Bottom w0.254: R126.2 16.66,87.22 arc(14.67,90.21) v1(13.97,93.73) 13.97,94.87 arc(14.38,95.86) 15.37,96.27 arc(16.71,96.82) 17.27,98.17 v1(17.27,99.31) ; v1(9.27,14.1) 8.26,15.1 arc(7.6,16.1) 7.37,17.27 7.37,90.17 arc(7.69,91.81) v1(8.62,93.21) ; v1(59.44,10.29) v1(59.44,15.62) 59.44,16.84 arc(59.62,17.75) 60.13,18.52 60.25,18.64 arc(60.68,19.28) 60.83,20.05 arc(60.98,20.81) 61.42,21.46 69.56,29.6 arc(70.15,30.48) 70.36,31.52 70.36,50.23 arc(70.16,51.23) v1(69.6,52.07)
P4: length 262.2
  Top w0.254: 12.95,114.55 Q28.3 v1(8.64,114.55) ; 12.95,114.55 12.89,114.55 13.84,114.55 ; 12.95,114.55 arc(13.31,114.7) 13.46,115.06 13.46,115.19 ; v1(60.96,11.05) 59.14,11.05 arc(58.47,10.92) 57.91,10.54 57.31,9.94 arc(56.72,9.06) 56.52,8.02 56.52,4.95 ; v1(23.62,117.73) 25.37,119.47 arc(26.25,120.06) 27.29,120.27 43.95,120.27 arc(44.53,120.15) 45.02,119.82 R133.1 ; v1(69.6,55.63) R319.1 ; v1(9.91,12.57) 16.07,12.57 arc(17.06,12.77) 17.91,13.33 arc(19.03,14.09) 20.36,14.35 60.04,14.35 arc(60.54,14.45) v1(60.96,14.73)
  Bottom w0.254: v1(8.64,114.55) 8.33,114.24 arc(6.86,112.06) 6.35,109.47 6.35,16 arc(6.54,15.06) 7.07,14.27 7.95,13.38 arc(8.85,12.78) v1(9.91,12.57) ; v1(13.97,115.06) R124.2 22.83,112.49 arc(23.41,113.37) 23.62,114.41 v1(23.62,117.73) ; v1(60.96,11.05) v1(60.96,14.73) 60.96,17.28 arc(61.08,17.86) 61.4,18.36 arc(61.73,18.85) 61.85,19.43 61.85,19.55 arc(62.01,20.38) 62.48,21.08 62.48,21.09 70.58,29.18 arc(71.17,30.06) 71.37,31.1 71.37,53.85 arc(70.85,55.11) v1(69.6,55.63)
